# Altium PCB Graviton-EC2.PcbDoc (part 2 of 12) (continued)
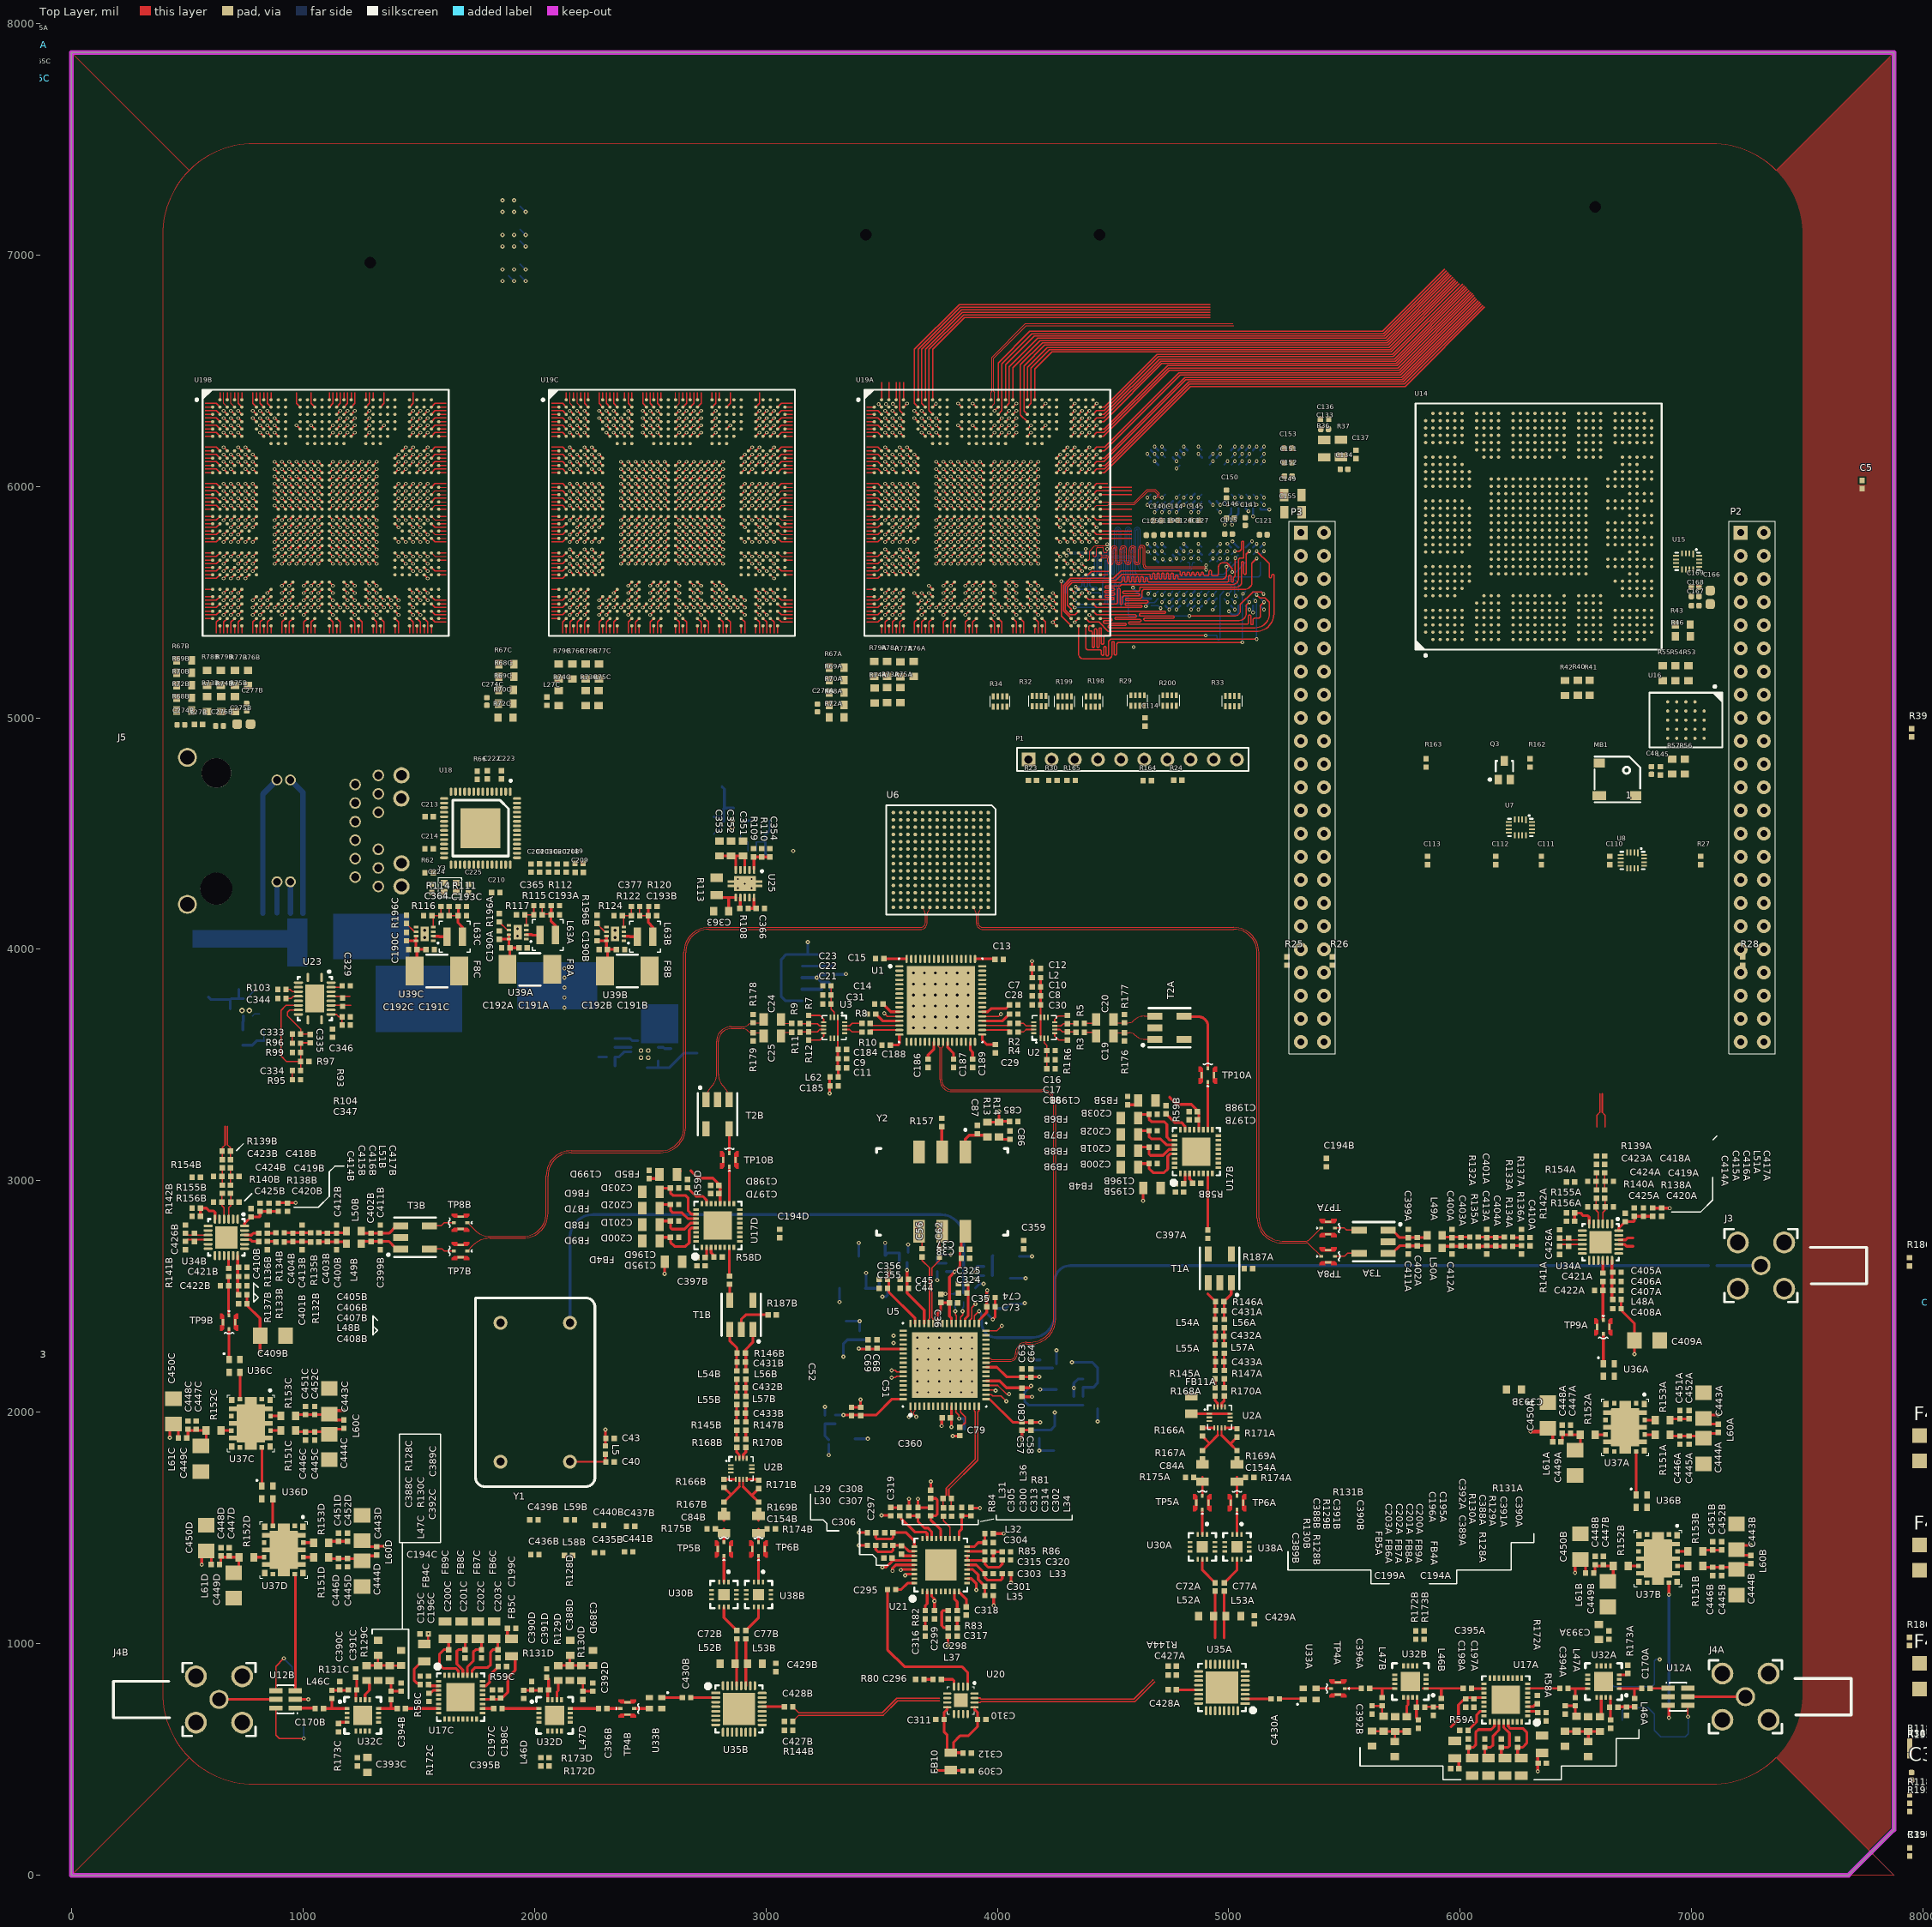
[diagram p0: Top Layer view]
## Components (designator, comment, footprint, x,y, rotation, side; value= is the part's Value field where it differs from the comment) (continued)
C203B "CAP 0402" 0402 4673.23,3287.4 r0 top (schematic designator C203)
C203C "CAP 0402" 0402 1842.52,956.69 r270 top (schematic designator C203)
C203D "CAP 0402" 0402 2605.91,2968.5 r0 top (schematic designator C203)
C204 "CAP 0402" 0402 1985,4351 r90 top
C205 "CAP 0402" 0402 2023.17,4351.28 r90 top
C206 "CAP 0402" 0402 2061,4351 r90 top
C207 "CAP 0402" 0402 2099,4351 r90 top
C208 "CAP 0402" 0402 2137,4351 r90 top
C209 "CAP 0402" 0402 2194,4332 r0 top
C210 "CAP 0402" 0402 1833,4246 r0 top
C211 "CAP 0402" 1206 1645,4323 r90 bottom
C212 "CAP 0402" 1206 1551,4323 r90 bottom
C213 "CAP 0402" 0402 1545.76,4572.73 r0 top
C214 "CAP 0402" 0402 1545,4435 r0 top
C215 "CAP 0402" 0402 1234,4232 r90 bottom
C216 "CAP 0402" 0402 1193.11,4232.34 r90 bottom
C217 "CAP 0402" 0402 1177.17,4798.66 r270 bottom
C218 "CAP 0402" 0402 1217.44,4798.66 r270 bottom
C219 "CAP 0402" 0402 1258,4799 r270 bottom
C220 "CAP 0402" 1206 1887,4767 r180 bottom
C221 "CAP 0402" 1206 1886.96,4673.81 r180 bottom
C222 "CAP 0402" 0402 1796,4754 r270 top
C223 "CAP 0402" 0402 1858,4754 r270 top
C224 "CAP 0402" 0402 1556.54,4263.51 r270 top
C225 "CAP 0402" 0402 1715.54,4262.51 r90 top
C226A "GRM155R71A104KA01J" CAPC1005X56N#1 3852,6558 r270 bottom (schematic designator C226)
C226B "GRM155R71A104KA01J" CAPC1005X56N#1 989,6562 r270 bottom (schematic designator C226)
C226C "GRM155R71A104KA01J" CAPC1005X56N#1 2553,6553 r270 bottom (schematic designator C226)
C227A "GRM188R71A225KE15D" CAPC1608X90N 3902,6500 r270 bottom (schematic designator C227)
C227B "GRM188R71A225KE15D" CAPC1608X90N 937,6508 r270 bottom (schematic designator C227)
C227C "GRM188R71A225KE15D" CAPC1608X90N 2503,6504 r270 bottom (schematic designator C227)
C228A "GRM155R71A104KA01J" CAPC1005X56N#1 3799,6148 r270 bottom (schematic designator C228)
C228B "GRM155R71A104KA01J" CAPC1005X56N#1 941,6150 r270 bottom (schematic designator C228)
C228C "GRM155R71A104KA01J" CAPC1005X56N#1 2436,6157 r270 bottom (schematic designator C228)
C229A "GRM155R71A104KA01J" CAPC1005X56N#1 3839,6148 r270 bottom (schematic designator C229)
C229B "GRM155R71A104KA01J" CAPC1005X56N#1 981,6150 r270 bottom (schematic designator C229)
C229C "GRM155R71A104KA01J" CAPC1005X56N#1 2476,6157 r270 bottom (schematic designator C229)
C230A "GRM155R71A104KA01J" CAPC1005X56N#1 3879,6148 r270 bottom (schematic designator C230)
C230B "GRM155R71A104KA01J" CAPC1005X56N#1 1021,6150 r270 bottom (schematic designator C230)
C230C "GRM155R71A104KA01J" CAPC1005X56N#1 2516,6157 r270 bottom (schematic designator C230)
C231A "GRM155R71A104KA01J" CAPC1005X56N#1 3919,6148 r270 bottom (schematic designator C231)
C231B "GRM155R71A104KA01J" CAPC1005X56N#1 1061,6150 r270 bottom (schematic designator C231)
C231C "GRM155R71A104KA01J" CAPC1005X56N#1 2556,6157 r270 bottom (schematic designator C231)
C232A "GRM155R71A104KA01J" CAPC1005X56N#1 4101,6550 r270 bottom (schematic designator C232)
C232B "GRM155R71A104KA01J" CAPC1005X56N#1 1144,6568 r270 bottom (schematic designator C232)
C232C "GRM155R71A104KA01J" CAPC1005X56N#1 2705,6556 r270 bottom (schematic designator C232)
C233A "GRM188R71A225KE15D" CAPC1608X90N 4150,6500 r270 bottom (schematic designator C233)
C233B "GRM188R71A225KE15D" CAPC1608X90N 1195,6512 r270 bottom (schematic designator C233)
C233C "GRM188R71A225KE15D" CAPC1608X90N 2756,6507 r270 bottom (schematic designator C233)
C234A "GRM155R71A104KA01J" CAPC1005X56N#1 3985,6150 r270 bottom (schematic designator C234)
C234B "GRM155R71A104KA01J" CAPC1005X56N#1 1123,6153 r270 bottom (schematic designator C234)
C234C "GRM155R71A104KA01J" CAPC1005X56N#1 2627,6158 r270 bottom (schematic designator C234)
C235A "GRM155R71A104KA01J" CAPC1005X56N#1 4025,6150 r270 bottom (schematic designator C235)
C235B "GRM155R71A104KA01J" CAPC1005X56N#1 1163,6153 r270 bottom (schematic designator C235)
C235C "GRM155R71A104KA01J" CAPC1005X56N#1 2667,6158 r270 bottom (schematic designator C235)
C236A "GRM155R71A104KA01J" CAPC1005X56N#1 4065,6150 r270 bottom (schematic designator C236)
C236B "GRM155R71A104KA01J" CAPC1005X56N#1 1203,6153 r270 bottom (schematic designator C236)
C236C "GRM155R71A104KA01J" CAPC1005X56N#1 2707,6158 r270 bottom (schematic designator C236)
C237A "GRM155R71A104KA01J" CAPC1005X56N#1 4105,6150 r270 bottom (schematic designator C237)
C237B "GRM155R71A104KA01J" CAPC1005X56N#1 1242.83,6152.92 r270 bottom (schematic designator C237)
C237C "GRM155R71A104KA01J" CAPC1005X56N#1 2747,6158 r270 bottom (schematic designator C237)
C238A "GRM155R71A104KA01J" CAPC1005X56N#1 4216,6560 r270 bottom (schematic designator C238)
C238B "GRM155R71A104KA01J" CAPC1005X56N#1 1767.94,5972.65 r180 bottom (schematic designator C238)
C238C "GRM155R71A104KA01J" CAPC1005X56N#1 3246,5943 r180 bottom (schematic designator C238)
C239A "GRM188R71A225KE15D" CAPC1608X90N 4268,6502 r270 bottom (schematic designator C239)
C239B "GRM188R71A225KE15D" CAPC1608X90N 1710,5918 r180 bottom (schematic designator C239)
C239C "GRM188R71A225KE15D" CAPC1608X90N 3198,5893 r180 bottom (schematic designator C239)
C240A "GRM155R71A104KA01J" CAPC1005X56N#1 4222,6046 r180 bottom (schematic designator C240)
C240B "GRM155R71A104KA01J" CAPC1005X56N#1 1364,6045 r180 bottom (schematic designator C240)
C240C "GRM155R71A104KA01J" CAPC1005X56N#1 2866,6037 r180 bottom (schematic designator C240)
C241A "GRM155R71A104KA01J" CAPC1005X56N#1 4222,6006 r180 bottom (schematic designator C241)
C241B "GRM155R71A104KA01J" CAPC1005X56N#1 1364,6005 r180 bottom (schematic designator C241)
C241C "GRM155R71A104KA01J" CAPC1005X56N#1 2866,5998 r180 bottom (schematic designator C241)
C242A "GRM155R71A104KA01J" CAPC1005X56N#1 4222,5966 r180 bottom (schematic designator C242)
C242B "GRM155R71A104KA01J" CAPC1005X56N#1 1364,5965 r180 bottom (schematic designator C242)
C242C "GRM155R71A104KA01J" CAPC1005X56N#1 2866,5959 r180 bottom (schematic designator C242)
C243A "GRM155R71A104KA01J" CAPC1005X56N#1 4222,5926 r180 bottom (schematic designator C243)
C243B "GRM155R71A104KA01J" CAPC1005X56N#1 1363.94,5925.17 r180 bottom (schematic designator C243)
C243C "GRM155R71A104KA01J" CAPC1005X56N#1 2866.24,5920.17 r180 bottom (schematic designator C243)
C244A "GRM188R71A225KE15D" CAPC1608X90N -245.1,6819.97 r90 bottom (schematic designator C244)
C244B "GRM188R71A225KE15D" CAPC1608X90N -238,7036 r90 bottom (schematic designator C244)
C244C "GRM188R71A225KE15D" CAPC1608X90N -224,7333 r90 bottom (schematic designator C244)
C245A "GRM155R71A104KA01J" CAPC1005X56N#1 -294,6841 r90 bottom (schematic designator C245)
C245B "GRM155R71A104KA01J" CAPC1005X56N#1 -301.23,7058.06 r90 bottom (schematic designator C245)
C245C "GRM155R71A104KA01J" CAPC1005X56N#1 -272,7358 r90 bottom (schematic designator C245)
C246A "GRM155R71A104KA01J" CAPC1005X56N#1 4161,5207 r90 bottom (schematic designator C246)
C246B "GRM155R71A104KA01J" CAPC1005X56N#1 1771,5778 r180 bottom (schematic designator C246)
C246C "GRM155R71A104KA01J" CAPC1005X56N#1 3254,5773 r180 bottom (schematic designator C246)
C247A "GRM188R71A225KE15D" CAPC1608X90N 4103,5254 r90 bottom (schematic designator C247)
C247B "GRM188R71A225KE15D" CAPC1608X90N 1711,5722 r180 bottom (schematic designator C247)
C247C "GRM188R71A225KE15D" CAPC1608X90N 3206,5721 r180 bottom (schematic designator C247)
C248A "GRM155R71A104KA01J" CAPC1005X56N#1 4224,5860 r180 bottom (schematic designator C248)
C248B "GRM155R71A104KA01J" CAPC1005X56N#1 1361,5857 r180 bottom (schematic designator C248)
C248C "GRM155R71A104KA01J" CAPC1005X56N#1 2865,5856 r180 bottom (schematic designator C248)
C249A "GRM155R71A104KA01J" CAPC1005X56N#1 4224,5820 r180 bottom (schematic designator C249)
C249B "GRM155R71A104KA01J" CAPC1005X56N#1 1361,5818 r180 bottom (schematic designator C249)
C249C "GRM155R71A104KA01J" CAPC1005X56N#1 2865,5816 r180 bottom (schematic designator C249)
C250A "GRM155R71A104KA01J" CAPC1005X56N#1 4224,5780 r180 bottom (schematic designator C250)
C250B "GRM155R71A104KA01J" CAPC1005X56N#1 1361,5779 r180 bottom (schematic designator C250)
C250C "GRM155R71A104KA01J" CAPC1005X56N#1 2865,5777 r180 bottom (schematic designator C250)
C251A "GRM155R71A104KA01J" CAPC1005X56N#1 4224,5740 r180 bottom (schematic designator C251)
C251B "GRM155R71A104KA01J" CAPC1005X56N#1 1360.97,5739.17 r180 bottom (schematic designator C251)
C251C "GRM155R71A104KA01J" CAPC1005X56N#1 2865,5738 r180 bottom (schematic designator C251)
C252A "GRM188R71A225KE15D" CAPC1608X90N 4505.1,5961.33 r270 bottom (schematic designator C252)
C252B "GRM188R71A225KE15D" CAPC1608X90N 1717,5830 r180 bottom (schematic designator C252)
C252C "GRM188R71A225KE15D" CAPC1608X90N 3200,5827 r180 bottom (schematic designator C252)
C253A "GRM155R71A104KA01J" CAPC1005X56N#1 4325,5820 r0 bottom (schematic designator C253)
C253B "GRM155R71A104KA01J" CAPC1005X56N#1 1554,5823 r180 bottom (schematic designator C253)
C253C "GRM155R71A104KA01J" CAPC1005X56N#1 3053.27,5819.77 r180 bottom (schematic designator C253)
C254A "GRM155R71A104KA01J" CAPC1005X56N#1 4251,5208 r90 bottom (schematic designator C254)
C254B "GRM155R71A104KA01J" CAPC1005X56N#1 1768,5615 r180 bottom (schematic designator C254)
C254C "GRM155R71A104KA01J" CAPC1005X56N#1 3255,5621 r180 bottom (schematic designator C254)
C255A "GRM188R71A225KE15D" CAPC1608X90N 4211,5621 r90 bottom (schematic designator C255)
C255B "GRM188R71A225KE15D" CAPC1608X90N 1706,5561 r180 bottom (schematic designator C255)
C255C "GRM188R71A225KE15D" CAPC1608X90N 3200,5564 r180 bottom (schematic designator C255)
C256A "GRM155R71A104KA01J" CAPC1005X56N#1 4226,5698 r180 bottom (schematic designator C256)
C256B "GRM155R71A104KA01J" CAPC1005X56N#1 1360.99,5701.28 r180 bottom (schematic designator C256)
C256C "GRM155R71A104KA01J" CAPC1005X56N#1 2866,5658 r180 bottom (schematic designator C256)
C257A "GRM155R71A104KA01J" CAPC1005X56N#1 4208,5279 r90 bottom (schematic designator C257)
C257B "GRM155R71A104KA01J" CAPC1005X56N#1 1361,5662 r180 bottom (schematic designator C257)
C257C "GRM155R71A104KA01J" CAPC1005X56N#1 2866,5698 r180 bottom (schematic designator C257)
C258A "GRM155R71A104KA01J" CAPC1005X56N#1 3305,5721 r0 bottom (schematic designator C258)
C258B "GRM155R71A104KA01J" CAPC1005X56N#1 505,5732 r0 bottom (schematic designator C258)
C258C "GRM155R71A104KA01J" CAPC1005X56N#1 1998,5622 r180 bottom (schematic designator C258)
C259A "GRM188R71A225KE15D" CAPC1608X90N 3356,5672 r0 bottom (schematic designator C259)
C259B "GRM188R71A225KE15D" CAPC1608X90N 498,5601 r90 bottom (schematic designator C259)
C259C "GRM188R71A225KE15D" CAPC1608X90N 2315,5637 r90 bottom (schematic designator C259)
C260A "GRM155R71A104KA01J" CAPC1005X56N#1 3688,5746 r0 bottom (schematic designator C260)
C260B "GRM155R71A104KA01J" CAPC1005X56N#1 830,5754 r0 bottom (schematic designator C260)
C260C "GRM155R71A104KA01J" CAPC1005X56N#1 2322,5718 r0 bottom (schematic designator C260)
C261A "GRM155R71A104KA01J" CAPC1005X56N#1 3688,5786 r0 bottom (schematic designator C261)
C261B "GRM155R71A104KA01J" CAPC1005X56N#1 830,5793 r0 bottom (schematic designator C261)
C261C "GRM155R71A104KA01J" CAPC1005X56N#1 2322,5757 r0 bottom (schematic designator C261)
C262A "GRM155R71A104KA01J" CAPC1005X56N#1 3688,5826 r0 bottom (schematic designator C262)
C262B "GRM155R71A104KA01J" CAPC1005X56N#1 830,5831 r0 bottom (schematic designator C262)
C262C "GRM155R71A104KA01J" CAPC1005X56N#1 2322,5796 r0 bottom (schematic designator C262)
C263A "GRM155R71A104KA01J" CAPC1005X56N#1 3688,5866 r0 bottom (schematic designator C263)
C263B "GRM155R71A104KA01J" CAPC1005X56N#1 830,5869 r0 bottom (schematic designator C263)
C263C "GRM155R71A104KA01J" CAPC1005X56N#1 2322,5835 r0 bottom (schematic designator C263)
C264A "GRM188R71A225KE15D" CAPC1608X90N -222.9,7885.65 r90 top (schematic designator C264)
C264B "GRM188R71A225KE15D" CAPC1608X90N 519,5476 r90 bottom (schematic designator C264)
C264C "GRM188R71A225KE15D" CAPC1608X90N -219.47,7738.26 r90 top (schematic designator C264)
C265A "GRM155R71A104KA01J" CAPC1005X56N#1 -174,7907 r90 top (schematic designator C265)
C265B "GRM155R71A104KA01J" CAPC1005X56N#1 471,5501 r90 bottom (schematic designator C265)
C265C "GRM155R71A104KA01J" CAPC1005X56N#1 -162,7763 r90 top (schematic designator C265)
C266A "GRM155R71A104KA01J" CAPC1005X56N#1 3299,6030 r0 bottom (schematic designator C266)
C266B "GRM155R71A104KA01J" CAPC1005X56N#1 826,6564 r270 bottom (schematic designator C266)
C266C "GRM155R71A104KA01J" CAPC1005X56N#1 2002,5842 r180 bottom (schematic designator C266)
C267A "GRM188R71A225KE15D" CAPC1608X90N 3350,6084 r0 bottom (schematic designator C267)
C267B "GRM188R71A225KE15D" CAPC1608X90N 774,6512 r270 bottom (schematic designator C267)
C267C "GRM188R71A225KE15D" CAPC1608X90N 2215,5884 r0 bottom (schematic designator C267)
C268A "GRM155R71A104KA01J" CAPC1005X56N#1 3689,5919 r0 bottom (schematic designator C268)
C268B "GRM155R71A104KA01J" CAPC1005X56N#1 830,6043 r0 bottom (schematic designator C268)
C268C "GRM155R71A104KA01J" CAPC1005X56N#1 2322,5953 r0 bottom (schematic designator C268)
C269A "GRM155R71A104KA01J" CAPC1005X56N#1 3689,5959 r0 bottom (schematic designator C269)
C269B "GRM155R71A104KA01J" CAPC1005X56N#1 830,5918 r0 bottom (schematic designator C269)
C269C "GRM155R71A104KA01J" CAPC1005X56N#1 2322,5992 r0 bottom (schematic designator C269)
C270A "GRM155R71A104KA01J" CAPC1005X56N#1 3689,5998 r0 bottom (schematic designator C270)
C270B "GRM155R71A104KA01J" CAPC1005X56N#1 830,5954 r0 bottom (schematic designator C270)
C270C "GRM155R71A104KA01J" CAPC1005X56N#1 2323,6050 r0 bottom (schematic designator C270)
C271A "GRM155R71A104KA01J" CAPC1005X56N#1 3689,6038 r0 bottom (schematic designator C271)
C271B "GRM155R71A104KA01J" CAPC1005X56N#1 830,5992 r0 bottom (schematic designator C271)
C271C "GRM155R71A104KA01J" CAPC1005X56N#1 2322,6088 r0 bottom (schematic designator C271)
C272A "GRM188R71A225KE15D" CAPC1608X90N 4224,6195 r270 bottom (schematic designator C272)
C272B "GRM188R71A225KE15D" CAPC1608X90N 1361,6198 r270 bottom (schematic designator C272)
C272C "GRM188R71A225KE15D" CAPC1608X90N 2891,6210 r270 bottom (schematic designator C272)
C273A "GRM155R71A104KA01J" CAPC1005X56N#1 4271,6178 r270 bottom (schematic designator C273)
C273B "GRM155R71A104KA01J" CAPC1005X56N#1 1409.2,6179.04 r270 bottom (schematic designator C273)
C273C "GRM155R71A104KA01J" CAPC1005X56N#1 2939,6215 r270 bottom (schematic designator C273)
C274A "GRM155R71A104KA01J" CAPC1005X56N#1 3223,5043 r270 top (schematic designator C274)
C274B "GRM155R71A104KA01J" CAPC1005X56N#1 473,4970 r0 top (schematic designator C274)
C274C "GRM155R71A104KA01J" CAPC1005X56N#1 1795,5071 r270 top (schematic designator C274)
C275A "GRM188R71A225KE15D" CAPC1608X90N 3697,5594.46 r90 bottom (schematic designator C275)
C275B "GRM188R71A225KE15D" CAPC1608X90N 745,4973 r180 top (schematic designator C275)
C275C "GRM188R71A225KE15D" CAPC1608X90N 2454,5602 r90 bottom (schematic designator C275)
C276A "GRM155R71A104KA01J" CAPC1005X56N#1 3698,5688 r270 bottom (schematic designator C276)
C276B "GRM155R71A104KA01J" CAPC1005X56N#1 640,4965 r0 top (schematic designator C276)
C276C "GRM155R71A104KA01J" CAPC1005X56N#1 2404,5625 r90 bottom (schematic designator C276)
C277A "GRM155R71A104KA01J" CAPC1005X56N#1 3781,5610.46 r90 bottom (schematic designator C277)
C277B "GRM155R71A104KA01J" CAPC1005X56N#1 757,5046 r270 top (schematic designator C277)
C277C "GRM155R71A104KA01J" CAPC1005X56N#1 2365,5625 r90 bottom (schematic designator C277)
C278A "CAP 0402" 0402 3769,5203 r270 bottom (schematic designator C278)
C278B "CAP 0402" 0402 3230,4898 r90 bottom (schematic designator C278)
C278C "CAP 0402" 0402 3409,4898 r90 bottom (schematic designator C278)
C279A "CAP 0402" 0402 3847,5203 r90 bottom (schematic designator C279)
C279B "CAP 0402" 0402 1030,5747 r270 bottom (schematic designator C279)
C279C "CAP 0402" 0402 2421,5861 r0 bottom (schematic designator C279)
C280A "GRM155R71A104KA01J" CAPC1005X56N#1 4154,6009 r0 bottom (schematic designator C280)
C280B "GRM155R71A104KA01J" CAPC1005X56N#1 898,5758 r180 bottom (schematic designator C280)
C280C "GRM155R71A104KA01J" CAPC1005X56N#1 2721,6087 r90 bottom (schematic designator C280)
C281A "GRM155R71A104KA01J" CAPC1005X56N#1 4083,6086 r90 bottom (schematic designator C281)
C281B "GRM155R71A104KA01J" CAPC1005X56N#1 1224,6083 r90 bottom (schematic designator C281)
C281C "GRM155R71A104KA01J" CAPC1005X56N#1 2799,6011 r0 bottom (schematic designator C281)
C282A "GRM155R71A104KA01J" CAPC1005X56N#1 3757,5759 r180 bottom (schematic designator C282)
C282B "GRM155R71A104KA01J" CAPC1005X56N#1 897,6012 r180 bottom (schematic designator C282)
C282C "GRM155R71A104KA01J" CAPC1005X56N#1 2391,5759 r180 bottom (schematic designator C282)
C283A "GRM155R71A104KA01J" CAPC1005X56N#1 3759,6011 r180 bottom (schematic designator C283)
C283B "GRM155R71A104KA01J" CAPC1005X56N#1 1298,6012 r0 bottom (schematic designator C283)
C283C "GRM155R71A104KA01J" CAPC1005X56N#1 2390,6012 r180 bottom (schematic designator C283)
C284A "GRM188R71A225KE15D" CAPC1608X90N 3930,5889 r0 bottom (schematic designator C284)
C284B "GRM188R71A225KE15D" CAPC1608X90N 1155,5626 r0 bottom (schematic designator C284)
C284C "GRM188R71A225KE15D" CAPC1608X90N 2542,5632 r180 bottom (schematic designator C284)
C285A "GRM188R71A225KE15D" CAPC1608X90N 3929,5833 r0 bottom (schematic designator C285)
C285B "GRM188R71A225KE15D" CAPC1608X90N 1031,5627 r180 bottom (schematic designator C285)
C285C "GRM188R71A225KE15D" CAPC1608X90N 2651,6507 r270 bottom (schematic designator C285)
C286A "GRM188R71A225KE15D" CAPC1608X90N 4014,5862 r270 bottom (schematic designator C286)
C286B "GRM188R71A225KE15D" CAPC1608X90N 1060,6517 r270 bottom (schematic designator C286)
C286C "GRM188R71A225KE15D" CAPC1608X90N 2655,5632 r0 bottom (schematic designator C286)
C287A "GRM155R71A104KA01J" CAPC1005X56N#1 4078,5866 r0 bottom (schematic designator C287)
C287B "GRM155R71A104KA01J" CAPC1005X56N#1 1071,6057 r270 bottom (schematic designator C287)
C287C "GRM155R71A104KA01J" CAPC1005X56N#1 2610.24,5712.6 r90 bottom (schematic designator C287)
C288A "GRM155R71A104KA01J" CAPC1005X56N#1 3937,5765 r270 bottom (schematic designator C288)
C288B "GRM155R71A104KA01J" CAPC1005X56N#1 1124,6058 r270 bottom (schematic designator C288)
C288C "GRM155R71A104KA01J" CAPC1005X56N#1 2566,6054 r270 bottom (schematic designator C288)
C289A "GRM155R71A104KA01J" CAPC1005X56N#1 3977,5765 r270 bottom (schematic designator C289)
C289B "GRM155R71A104KA01J" CAPC1005X56N#1 934,5913 r0 bottom (schematic designator C289)
C289C "GRM155R71A104KA01J" CAPC1005X56N#1 2621,6054 r270 bottom (schematic designator C289)
C290A "GRM155R71A104KA01J" CAPC1005X56N#1 4078,5906 r0 bottom (schematic designator C290)
C290B "GRM155R71A104KA01J" CAPC1005X56N#1 934,5861 r0 bottom (schematic designator C290)
C290C "GRM155R71A104KA01J" CAPC1005X56N#1 2516,5716 r90 bottom (schematic designator C290)
C291A "GRM155R71A104KA01J" CAPC1005X56N#1 3836,5906 r180 bottom (schematic designator C291)
C291B "GRM155R71A104KA01J" CAPC1005X56N#1 1236,5911 r0 bottom (schematic designator C291)
C291C "GRM155R71A104KA01J" CAPC1005X56N#1 2759,5856 r180 bottom (schematic designator C291)
C292A "GRM155R71A104KA01J" CAPC1005X56N#1 3836,5866 r180 bottom (schematic designator C292)
C292B "GRM155R71A104KA01J" CAPC1005X56N#1 1235,5854 r0 bottom (schematic designator C292)
C292C "GRM155R71A104KA01J" CAPC1005X56N#1 2759,5905 r180 bottom (schematic designator C292)
C293A "GRM155R71A104KA01J" CAPC1005X56N#1 3976,6006 r90 bottom (schematic designator C293)
C293B "GRM155R71A104KA01J" CAPC1005X56N#1 1130,5748 r270 bottom (schematic designator C293)
C293C "GRM155R71A104KA01J" CAPC1005X56N#1 2425,5910 r0 bottom (schematic designator C293)
C294A "GRM155R71A104KA01J" CAPC1005X56N#1 3937,6006 r90 bottom (schematic designator C294)
C294B "GRM155R71A104KA01J" CAPC1005X56N#1 1069,5748 r270 bottom (schematic designator C294)
C294C "GRM155R71A104KA01J" CAPC1005X56N#1 2564,5716 r90 bottom (schematic designator C294)
C295 "CAP 0402" 0402 3543.31,1234.45 r180 top
C296 "CAP 0402" 0402 3740.16,846.46 r0 top
C297 "CAP 0402" 0402 3586.61,1405.51 r90 top
C298 "CAP 0402" 0402 3787.4,1125.98 r90 top
C299 "CAP 0402" 0402 3728.35,1125.98 r90 top
C300 "CAP 0402" 0402 3712.6,1570.87 r270 top
C301 "CAP 0402" 0402 3964.57,1248.03 r180 top
C302 "CAP 0402" 0402 3846.46,1570.87 r270 top
C303 "CAP 0402" 0402 3964.57,1303.15 r180 top
C304 "CAP 0402" 0402 3964.57,1437.01 r180 top
C305 "CAP 0402" 0402 3657.48,1570.87 r270 top
C306 "CAP 0402" 0402 3527.56,1370.08 r0 top
C307 "CAP 0402" 0402 3531.5,1425.2 r0 top
C308 "CAP 0402" 0402 3531.5,1480.32 r0 top
C309 "1uF" 0402 3869.88,450.79 r180 top
C310 "1uF" 0402 3933.07,673.23 r180 top
C311 "100nF" 0402 3751.97,673.23 r0 top
C312 "100nF" 0402 3870.08,527.56 r180 top
C313 "CAP 0402" 0402 3767.72,1569.09 r90 top
C314 "CAP 0402" 0402 3803.15,1569.09 r90 top
C315 "CAP 0402" 0402 3964.57,1362.2 r180 top
C316 "CAP 0402" 0402 3688.98,1051.18 r270 top
C317 "CAP 0402" 0402 3826.77,1051.18 r90 top
C318 "CAP 0402" 0402 3866.14,1141.73 r90 top
C319 "CAP 0402" 0402 3539.37,1570.87 r90 top
C320 "CAP 0402" 0402 4039.37,1362.2 r180 top
C321 "CAP" 1210 826.77,3992.13 r90 bottom
C322 "CAP" 1210 704.72,3992.13 r90 bottom
C323 "CAP" 1210 582.68,3992.13 r90 bottom
C324 "CAP 0402" 0402 3850.39,2515.75 r0 top
C325 "CAP 0402" 0402 3850.39,2555.12 r0 top
C326 "CAP 0402" 0402 3960.63,2629.92 r0 bottom
C327 "CAP 0402" 1206 4035.43,2696.85 r180 bottom
C328 "CAP 33pF 0402" 0402 2940.94,4425.2 r0 bottom
C329 "100nF" 0402 1187.2,3842.52 r180 top
C330 "100nF" 0402 7941.7,100.69 r90 top
C331 "CAP" 1210 2198.03,3948.82 r270 bottom
C332 "CAP" 1210 2198.03,3736.22 r90 bottom
C333 "12nF" 0402 972.44,3633.86 r0 top
C334 "2.7nF" 0402 972.44,3476.38 r180 top
C335 "1.3nF" 0402 1031.5,3614.17 r90 top
C336 "CAP 10UF 0402" 0402 2984.25,3598.43 r180 bottom
C337 "CAP 10UF 0402" 0402 2984.25,3527.56 r180 bottom
C338 "CAP 10UF 0402" 0402 2984.25,3562.99 r180 bottom
C339 "CAP 0402" 0402 2590.55,3590.55 r90 bottom
C340 "1.0nF" 0402 1098.43,3905.51 r0 bottom
C341 "CAP 10UF 0402" 0402 2543.31,4177.17 r0 bottom
C342 "CAP 10UF 0402" 0402 2618.11,4216.54 r180 bottom
C343 "CAP 10UF 0402" 0402 2618.11,4177.17 r180 bottom
C344 "2.2nF" 0402 909.45,3787.4 r180 top
C345 "2.2nF" 0402 17720.47,7173.23 r90 top
C346 "4.7uF" 0402 1128.15,3637.8 r270 top
C347 "1nF" 0402 1187.2,3673.23 r0 top
C348 "CAP 0402" 0402 2330.71,3614.17 r180 bottom
C349 "CAP 0402" 0402 2275.59,3515.75 r270 bottom
C350 "CAP 0402" 0402 2330.71,3496.06 r180 bottom
C351 "CAP 0603" 0603 2901.57,4435.94 r270 top
C352 "CAP 0603" 0603 2850.39,4435.94 r270 top
C353 "CAP 0603" 0603 2799.21,4435.94 r270 top
C354 "1nF, 50V" 0402 3017.72,4417.32 r90 top
C355 "CAP 0402" 0402 3507.87,2535.43 r0 top
C356 "CAP 0402" 0402 3507.87,2574.8 r0 top
C357 "CAP 0402" 0402 3507.87,2535.43 r180 bottom
C358 "CAP 0402" 1206 3374.02,2535.43 r0 bottom
C359 "CAP 0402" 0402 4114.17,2724.41 r90 top
C360 "CAP 0402" 0402 3779.53,1976.38 r0 top
C362 "GRM155R71A104KA01J" CAPC1005X56N#2 8264.56,427.47 r90 top
C363 "CAP 0603" 0603 2807.09,4165.35 r0 top
C364 "CAP 33pF 0402" 0402 1614.17,4185.04 r0 top
C365 "CAP 33pF 0402" 0402 2015.75,4188.98 r0 top
C366 "CAP 0402" 0402 2976.38,4177.17 r0 top
C367 "CAP 0603" 0603 22992.91,7175.5 r90 top
C368 "CAP 0603" 0603 23288.18,7175.5 r90 top
C369 "GRM155R71A104KA01J" CAPC1005X56N#2 8540.16,427.47 r90 top
C370 "GRM155R71A104KA01J" CAPC1005X56N#2 7949.6,427.47 r90 top
C377 "CAP 0402" 0402 2437.01,4185.04 r180 top
C378 "CAP 33pF 0402" 0402 21578.74,7165.35 r90 top
C379A "1uF" 0402 11960.13,4749.3 r0 top (schematic designator C379)
C379B "1uF" 0402 9408.95,4093.99 r0 top (schematic designator C379)
C380A "100nF" 0402 11960.13,4749.3 r0 top (schematic designator C380)
C380B "100nF" 0402 9408.95,4093.99 r0 top (schematic designator C380)
C382A "1uF" 0402 -2711.61,-2139.76 r180 top (schematic designator C382)
C382B "1uF" 0402 -3546.26,-2139.76 r180 top (schematic designator C382)
C382C "1uF" 0402 10589.57,3931.1 r0 top (schematic designator C382)
C382D "1uF" 0402 11418.31,3931.1 r0 top (schematic designator C382)
C383A "1uF" 0402 -2951.77,-2187.01 r180 top (schematic designator C383)
C383B "1uF" 0402 -3786.42,-2187.01 r180 top (schematic designator C383)
C383C "1uF" 0402 10829.72,3978.35 r0 top (schematic designator C383)
C383D "1uF" 0402 11658.46,3978.35 r0 top (schematic designator C383)
C384A "1uF" 0402 -2762.8,-2446.85 r180 top (schematic designator C384)
C384B "1uF" 0402 -3597.44,-2446.85 r180 top (schematic designator C384)
C384C "1uF" 0402 10640.75,4238.19 r0 top (schematic designator C384)
C384D "1uF" 0402 11469.49,4238.19 r0 top (schematic designator C384)
C385A "100nF" 0402 -2916.34,-1907.48 r180 top (schematic designator C385)
C385B "100nF" 0402 -3750.98,-1907.48 r180 top (schematic designator C385)
C385C "100nF" 0402 10794.29,3698.82 r0 top (schematic designator C385)
C385D "100nF" 0402 11623.03,3698.82 r0 top (schematic designator C385)
C386A "100nF" 0402 -2409.24,-1925.2 r180 top (schematic designator C386)
C386B "100nF" 0402 -3341.54,-2403.54 r180 top (schematic designator C386)
C386C "100nF" 0402 10384.84,4194.88 r0 top (schematic designator C386)
C386D "100nF" 0402 11213.58,4194.88 r0 top (schematic designator C386)
C387A "100nF" 0402 -3298.23,-1982.28 r180 top (schematic designator C387)
C387B "100nF" 0402 -4132.87,-1982.28 r180 top (schematic designator C387)
C387C "100nF" 0402 11176.18,3773.62 r0 top (schematic designator C387)
C387D "100nF" 0402 12004.92,3773.62 r0 top (schematic designator C387)
C388A "CAP 0603" 0603 6553.15,653.54 r270 top (schematic designator C388)
C388B "CAP 0603" 0603 5718.5,653.54 r270 top (schematic designator C388)
C388C "CAP 0603" 0603 1324.8,874.02 r90 top (schematic designator C388)
C388D "CAP 0603" 0603 2153.54,874.02 r90 top (schematic designator C388)
C389A "CAP 0603" 0603 6452.56,590.35 r90 top (schematic designator C389)
C389B "CAP 0603" 0603 5619.09,590.75 r90 top (schematic designator C389)
C389C "CAP 0603" 0603 1424.21,938.98 r270 top (schematic designator C389)
C389D "CAP 0603" 0603 2252.95,938.98 r270 top (schematic designator C389)
C390A "CAP 0402" 0402 6718.5,708.66 r270 top (schematic designator C390)
C390B "CAP 0402" 0402 5883.86,708.66 r270 top (schematic designator C390)
C390C "CAP 0402" 0402 1159.45,818.9 r90 top (schematic designator C390)
C390D "CAP 0402" 0402 1988.19,818.9 r90 top (schematic designator C390)
C391A "CAP 0402" 0402 6649.41,653.35 r90 top (schematic designator C391)
C391B "CAP 0402" 0402 5818.9,653.54 r90 top (schematic designator C391)
C391C "CAP 0402" 0402 1228.35,874.02 r270 top (schematic designator C391)
C391D "CAP 0402" 0402 2053.15,874.02 r270 top (schematic designator C391)
C392A "CAP 0402" 0402 6453.74,714.57 r90 top (schematic designator C392)
C392B "CAP 0402" 0402 5619.09,714.57 r90 top (schematic designator C392)
C392C "CAP 0402" 0402 1424.21,812.99 r270 top (schematic designator C392)
C392D "CAP 0402" 0402 2252.95,812.99 r270 top (schematic designator C392)
C393A "CAP 0603" 0603 6598.43,1051.18 r270 top (schematic designator C393)
C393B "CAP 0603" 0603 6232.28,2098.43 r180 top (schematic designator C393)
C393C "CAP 0603" 0603 1279.53,476.38 r90 top (schematic designator C393)
C393D "CAP 0603" 0603 -357.28,1187.01 r0 top (schematic designator C393)
C394A "CAP 0402" 0402 6447.83,807.09 r0 top (schematic designator C394)
C394B "CAP 0402" 0402 1425.2,720.47 r180 top (schematic designator C394)
C395A "CAP 0402" 0402 6030.51,807.09 r0 top (schematic designator C395)